# Altium PCB ESP8266-07.PcbDoc (part 1 of 2)
Units mm, origin at the board's own origin, x right, y up, seen from the top; angles counter-clockwise.
Board outline 86.49 x 77.72 mm, 2 copper layers (Top Layer, Bottom Layer); 174 components, 117 nets, 486 pads, 187 vias.
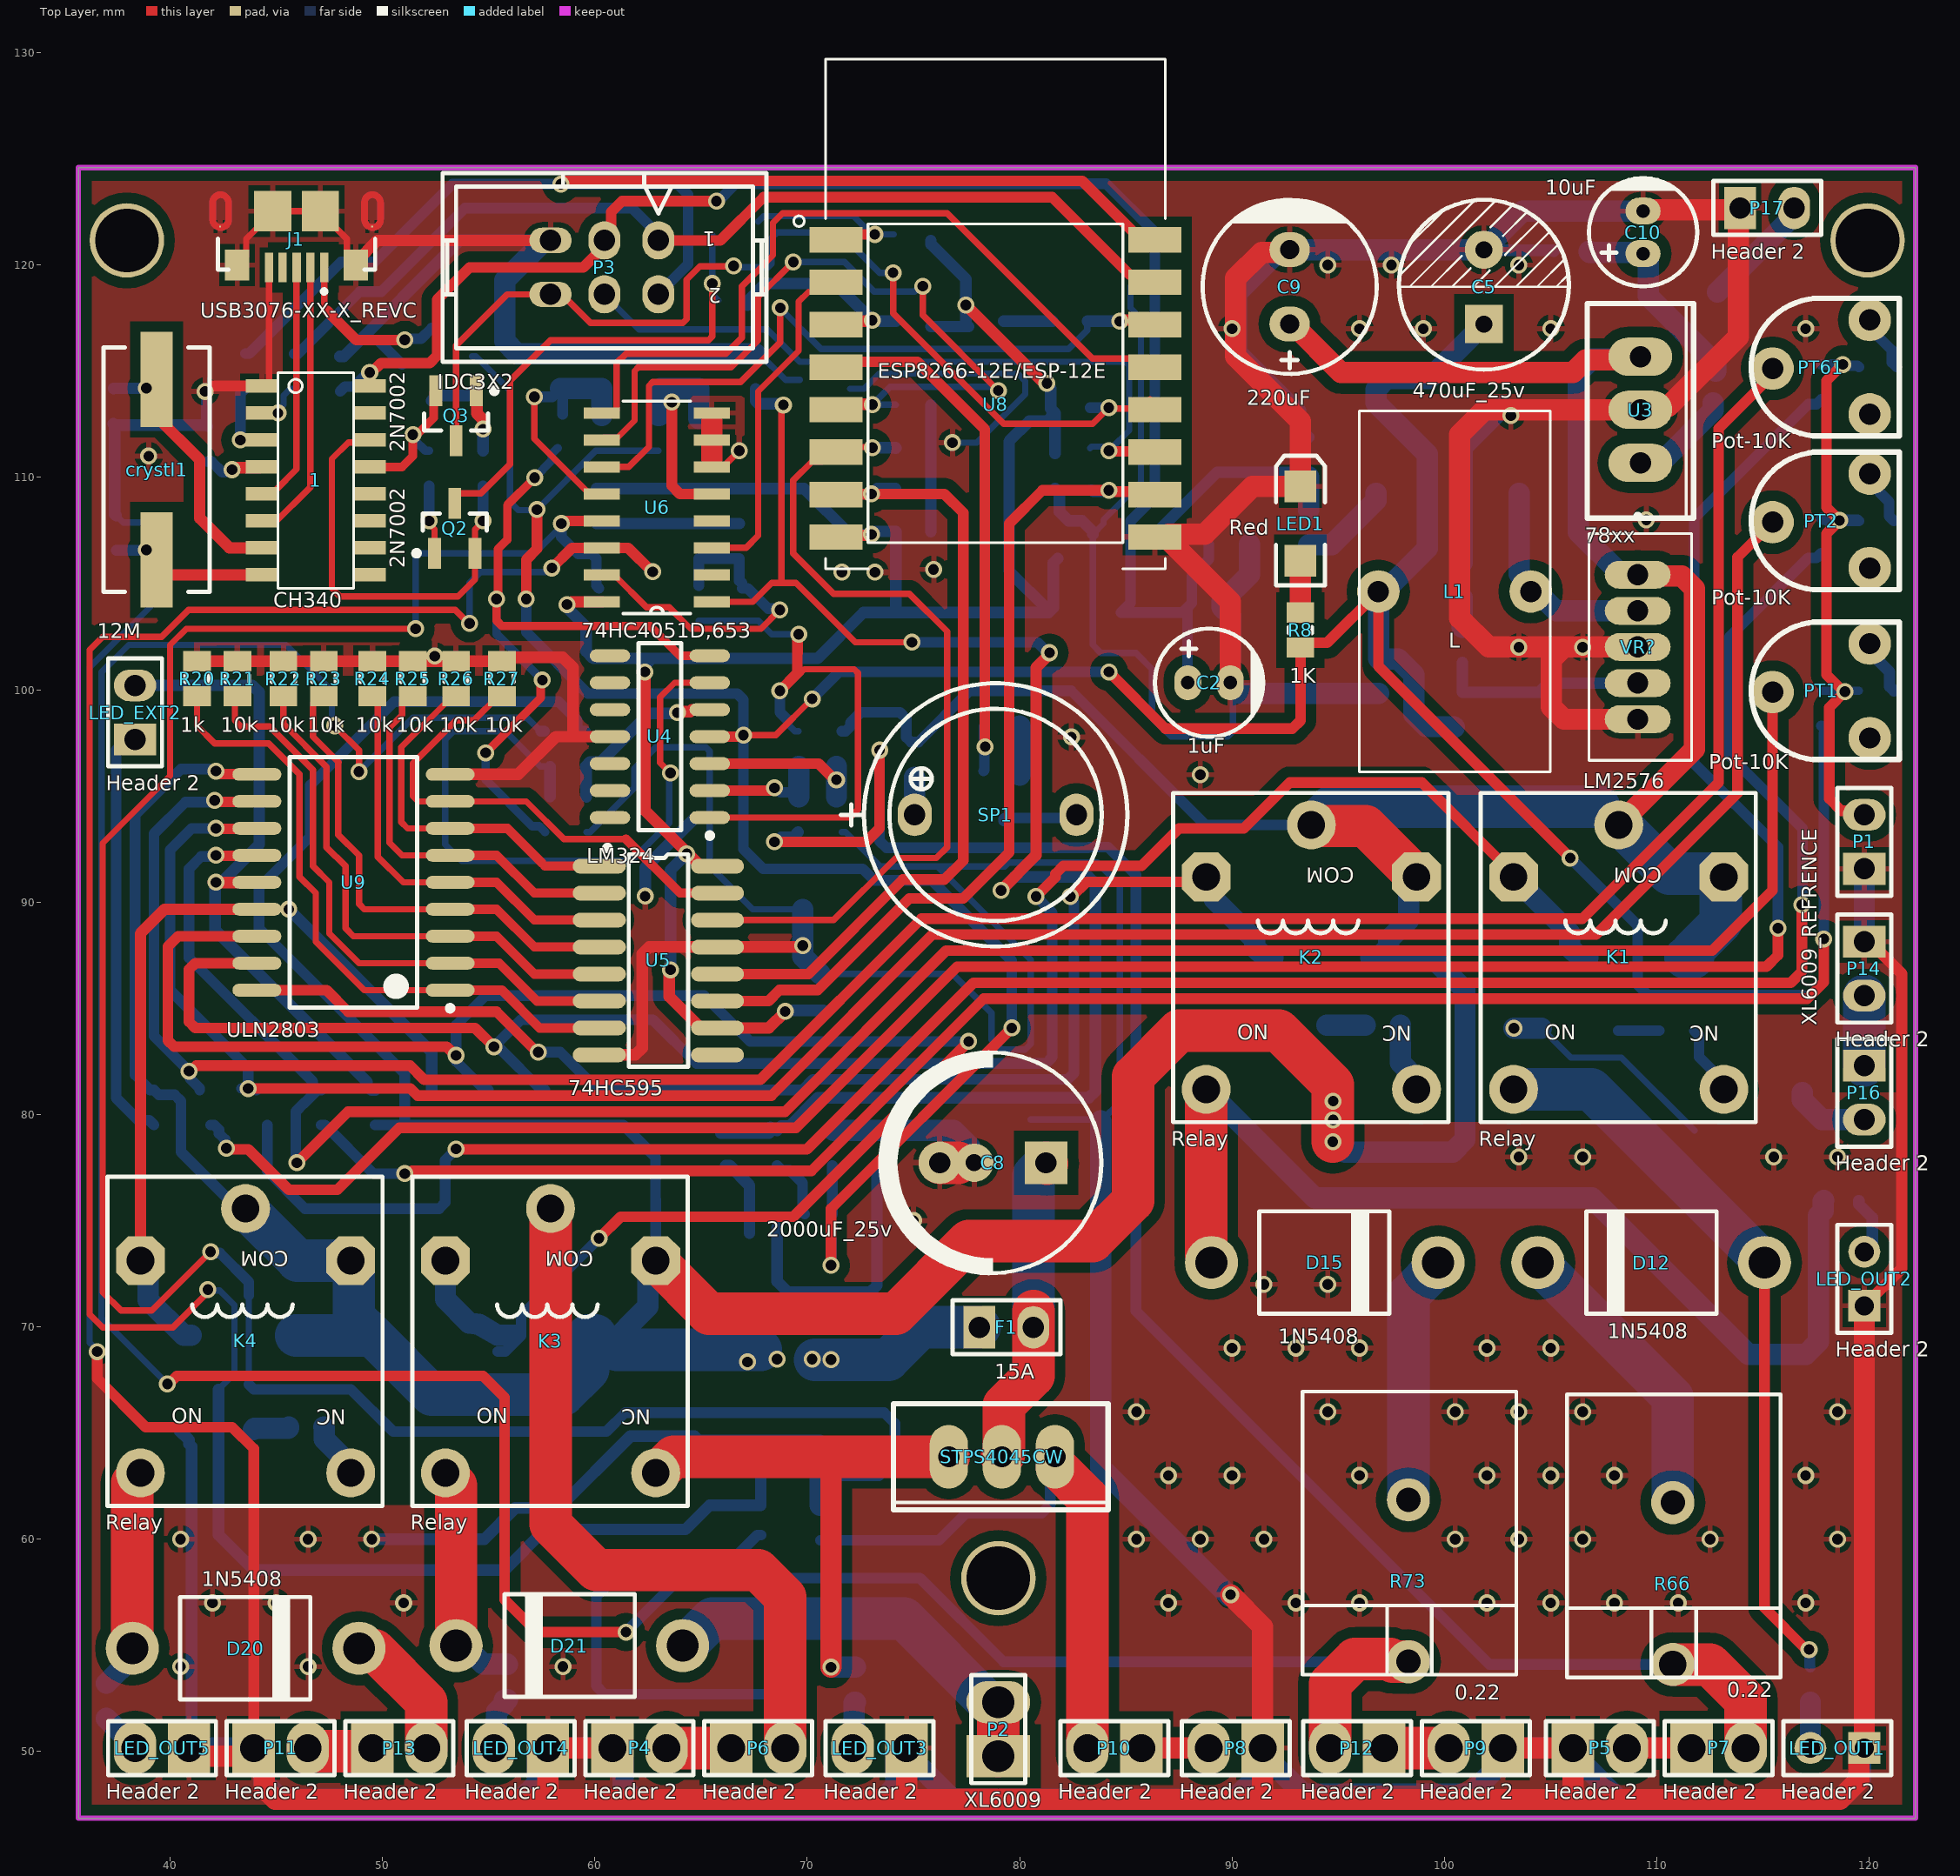
[diagram p0: Top Layer view]
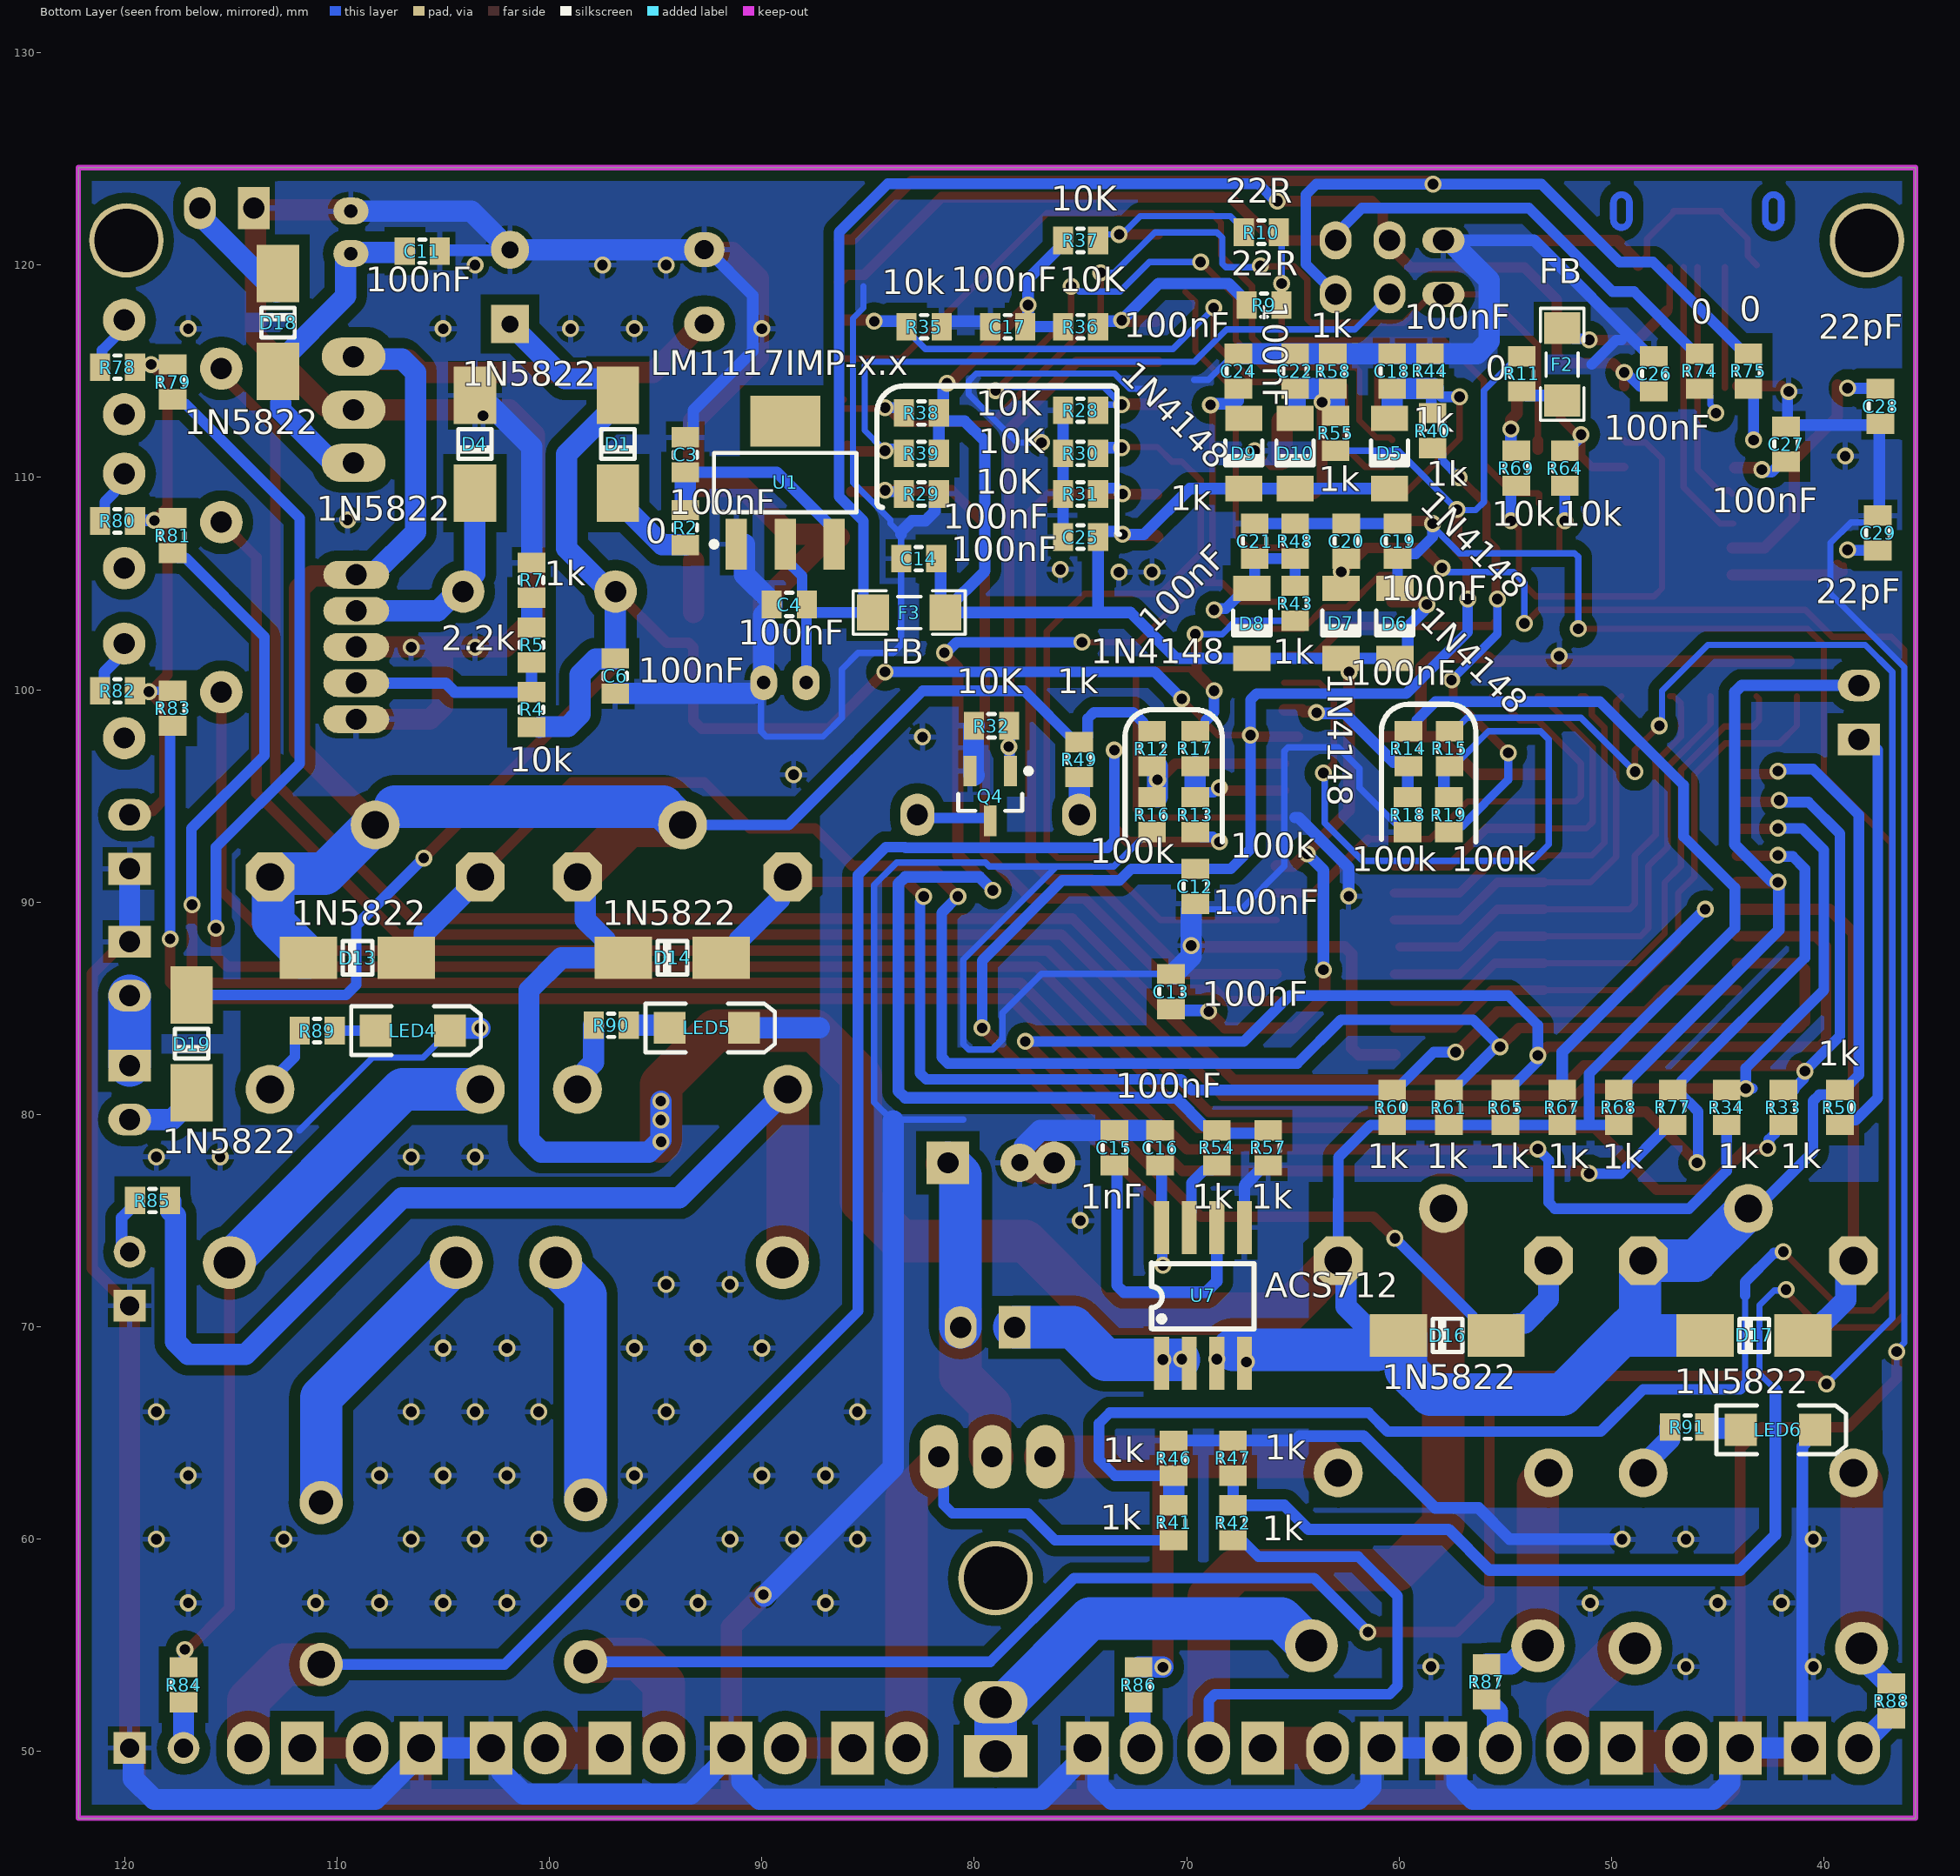
[diagram p1: Bottom Layer view, seen from below]
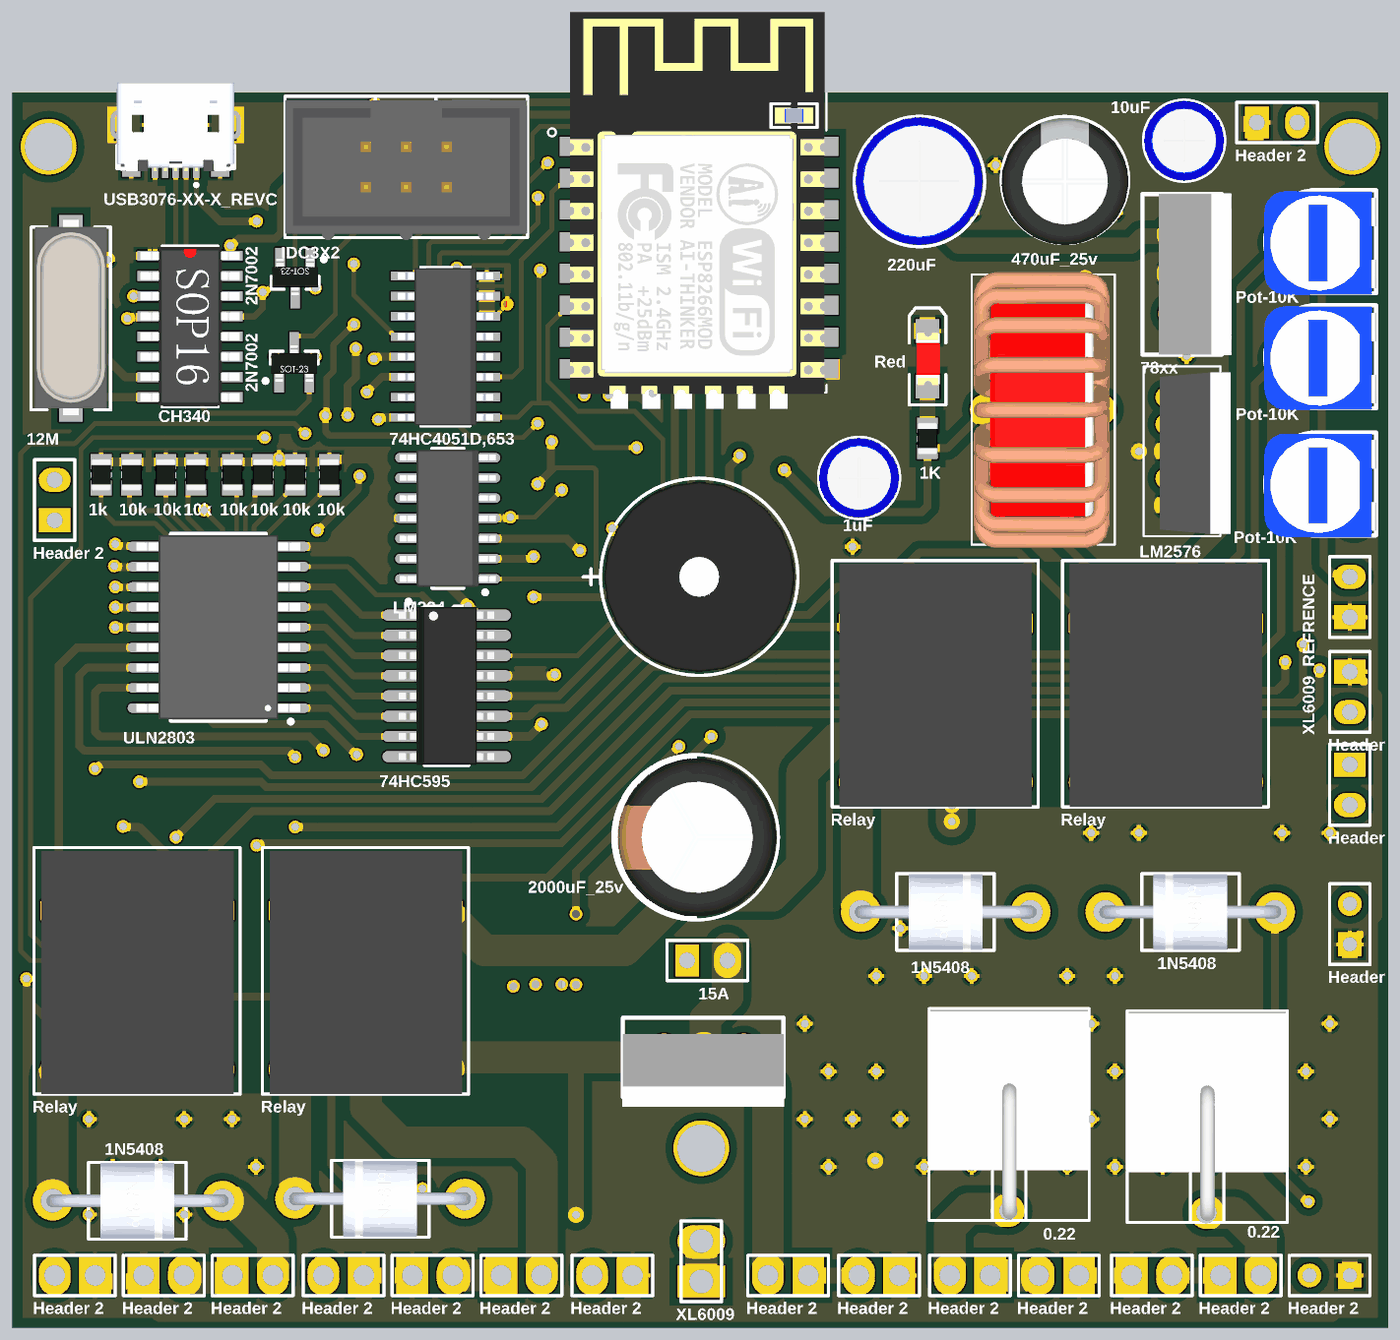
[diagram p3: 3D render of the assembled board from above, using the file's embedded part models]
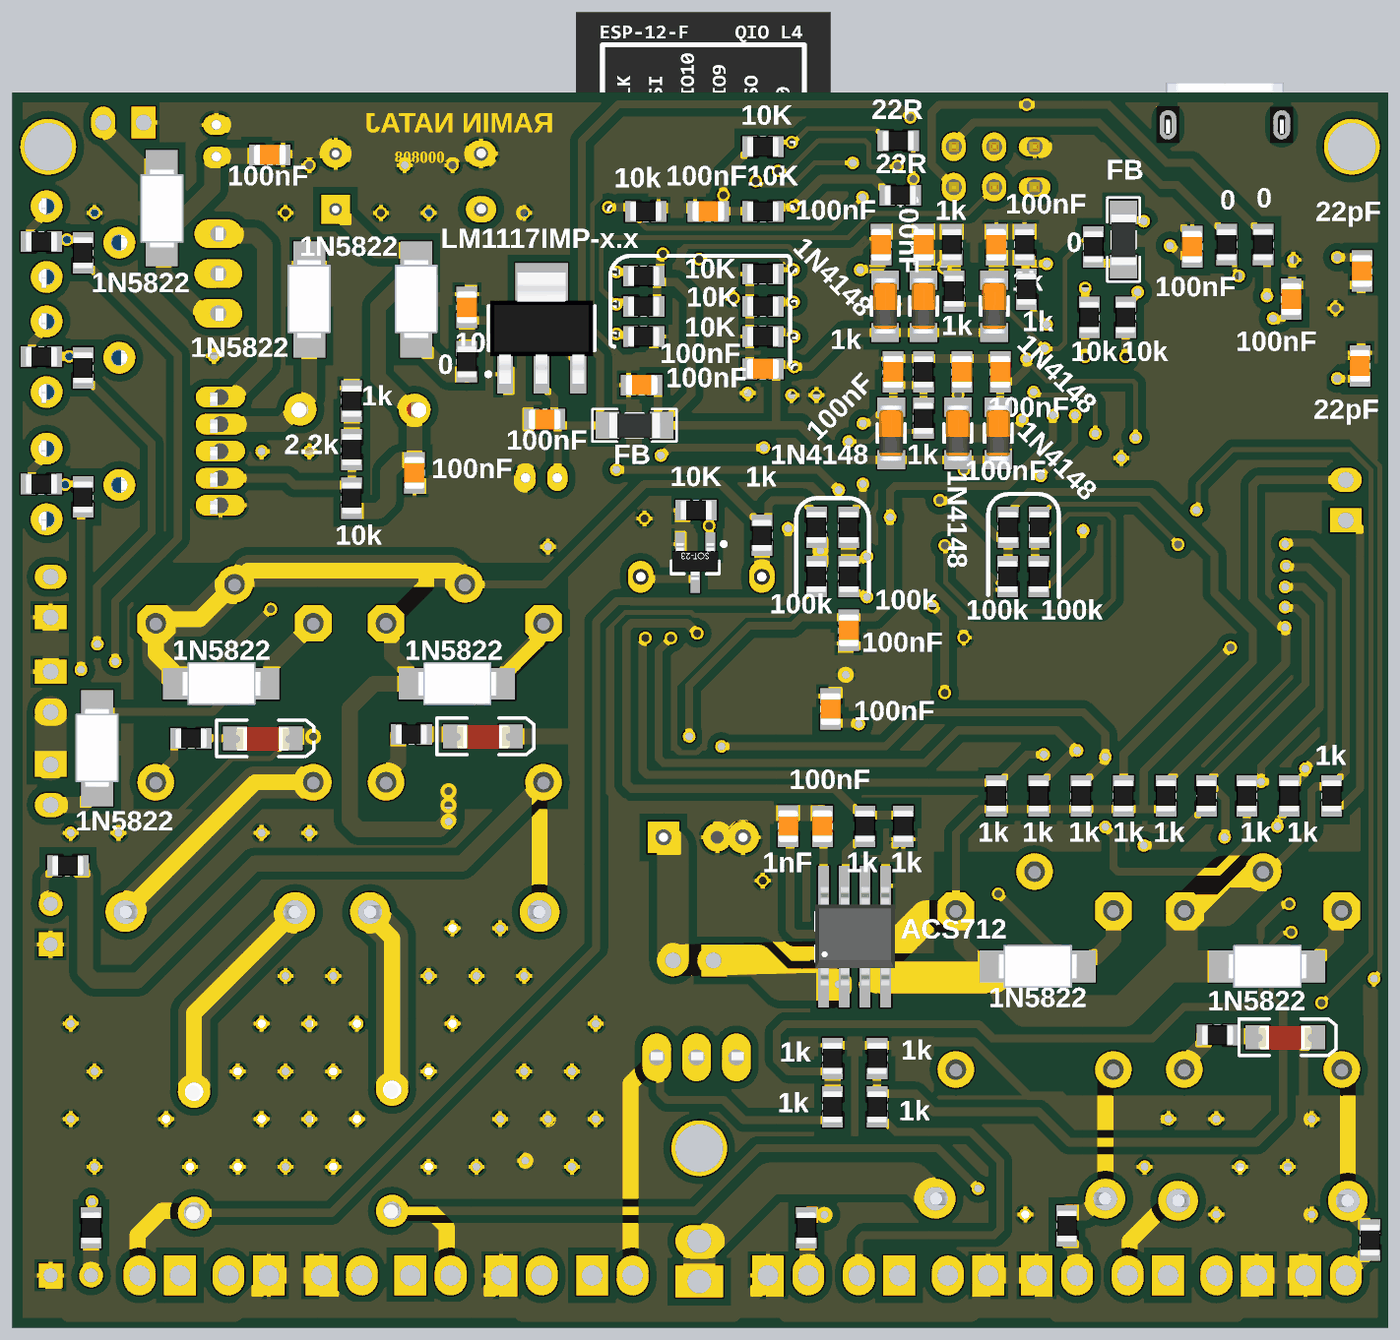
[diagram p4: 3D render of the assembled board from below, using the file's embedded part models]

## Layer stack, top to bottom
Top Solder: solder mask 0.0102, Solder Resist, Dk 3.5
Top Layer: signal copper 0.0356
Dielectric 1: dielectric 0.32, FR-4, Dk 4.8
Bottom Layer: signal copper 0.0356
Bottom Solder: solder mask 0.0102, Solder Resist, Dk 3.5

## Board outline
35.687,46.863 35.687,124.587 122.174,124.587 122.174,46.863

## Design rules (kind name [scope] priority, off if disabled: settings)
Clearance [All] p1: gap=0.5 ignorepadtopadclearanceinfootprint=FALSE except(0: Arc-Hole Track-Hole SMDPad-Hole THPad-Hole Via-Hole Fill-Hole Poly-Hole Region-Hole Text-Hole; 0.254: Arc-Arc Arc-Track Arc-SMDPad Arc-Via Arc-Text Track-Track Track-SMDPad Track-Via Track-Text SMDPad-SMDPad SMDPad-THPad SMDPad-Via SMDPad-Text THPad-THPad THPad-Via THPad-Text Via-Via Via-Text Fill-Text Poly-Text Region-Text Text-Text; 0.3: Arc-THPad Track-THPad)
PolygonConnect [All] p1: connectstyle=Relief reliefconductorwidth=0.254 reliefentries=4 polygonreliefangle="90 Angle" airgapwidth=0.254
RoutingVias [All] p1: holewidth=0.711 width=1.27 viastyle="Through Hole" minholewidth=0.711 minwidth=1.27 maxholewidth=0.711 maxwidth=1.27
SolderMaskExpansion [All] p1: expansion=0.102 istentingtop=FALSE
Width [All] p1: maxlimit=2 minlimit=0.254 preferedwidth=0.54 minimp=50.000000 maximp=50.000000 favimp=50.000000
30 further rules are at their usual default settings.

## Components (designator, comment, footprint, x,y, rotation, side; value= is the part's Value field where it differs from the comment)
1 "CH340" SOIC16 46.863,110.49 r0 top
C2 "1uF" "cap 01" 88.916,100.33 r180 top
C3 "100nF" SMD_CAP_0805 93.599,110.236 r90 bottom
C4 "100nF" SMD_CAP_0805 87.884,104.013 r0 bottom
C5 "470uF_25v" "Cap electrolitic radial 8x12-3.5" 101.854,118.971 r90 top
C6 "100nF" SMD_CAP_0805 96.901,101.472 r270 bottom
C8 "2000uF_25v" "Cap electrolitic radial 10x20-5" 78.74,77.724 r180 top
C9 "220uF" "cap 03" 92.71,118.971 r270 top
C10 "10uF" "cap 01" 109.347,121.539 r270 top
C11 "100nF" SMD_CAP_0805 106.806,120.65 r180 bottom
C12 "100nF" SMD_CAP_0805 69.596,91.567 r270 bottom
C13 "100nF" SMD_CAP_0805 70.739,84.964 r90 bottom
C14 "100nF" SMD_CAP_0805 83.439,106.172 r180 bottom
C15 "1nF" SMD_CAP_0805 73.406,77.598 r90 bottom
C16 "100nF" SMD_CAP_0805 71.247,77.597 r90 bottom
C17 "100nF" SMD_CAP_0805 77.597,117.094 r0 bottom
C18 "100nF" SMD_CAP_0805 60.325,114.173 r90 bottom
C19 "100nF" SMD_CAP_0805 60.071,106.172 r90 bottom
C20 "100nF" SMD_CAP_0805 62.484,106.172 r90 bottom
C21 "100nF" SMD_CAP_0805 66.802,106.172 r90 bottom
C22 "100nF" SMD_CAP_0805 64.897,114.173 r90 bottom
C24 "100nF" SMD_CAP_0805 67.564,114.173 r90 bottom
C25 "100nF" SMD_CAP_0805 74.169,107.188 r0 bottom
C26 "100nF" SMD_CAP_0805 48.006,114.047 r90 bottom
C27 "100nF" SMD_CAP_0805 41.783,112.395 r270 bottom
C28 "22pF" SMD_CAP_0805 37.338,114.172 r270 bottom
C29 "22pF" SMD_CAP_0805 37.465,106.554 r90 bottom
crystl1 "12M" "Crystal SMD" 39.37,110.363 r270 top
D1 "1N5822" "Diode 1N4007 SMD" 96.774,113.538 r270 bottom
D4 "1N5822" "Diode 1N4007 SMD" 103.505,113.538 r270 bottom
D5 "1N4148" LL4148 60.452,111.125 r270 bottom
D6 "1N4148" LL4148 60.198,103.124 r270 bottom
D7 "1N4148" LL4148 62.738,103.124 r270 bottom
D8 "1N4148" LL4148 66.929,103.124 r270 bottom
D9 "1N4148" LL4148 67.31,111.125 r270 bottom
D10 "1N4148" LL4148 64.897,111.125 r270 bottom
D12 "1N5408" "Diode 1N5819" 109.728,73.025 r180 top
D13 "1N5822" "Diode 1N4007 SMD" 107.061,87.376 r0 bottom
D14 "1N5822" "Diode 1N4007 SMD" 92.24,87.376 r0 bottom
D15 "1N5408" "Diode 1N5819" 94.361,73.025 r0 top
D16 "1N5822" "Diode 1N4007 SMD" 55.753,69.596 r0 bottom
D17 "1N5822" "Diode 1N4007 SMD" 41.313,69.596 r0 bottom
D18 "1N5822" "Diode 1N4007 SMD" 112.776,115.316 r90 bottom
D19 "1N5822" "Diode 1N4007 SMD" 116.84,85.306 r270 bottom
D20 "1N5408" "Diode 1N5819" 43.561,54.864 r0 top
D21 "" "Diode 1N5819" 58.801,54.991 r180 top
F1 "15A" HDR1X2#1 78.105,69.977 r0 top
F2 "FB" FB1206 52.324,115.316 r270 bottom value=10mH
F3 "FB" FB1206 83.058,103.632 r180 bottom value=10mH
J1 "USB3076-XX-X_REVC" GCT_USB3076-XX-X_REVC 45.959,122.538 r180 top
K1 "Relay" "Relay 15.40x12.10x13.10" 108.201,93.636 r180 top
K2 "Relay" "Relay 15.40x12.10x13.10" 93.729,93.636 r180 top
K3 "Relay" "Relay 15.40x12.10x13.10" 57.915,75.569 r180 top
K4 "Relay" "Relay 15.40x12.10x13.10" 43.558,75.569 r180 top
L1 "L" "Toroidal Inductor Coil" 100.584,104.648 r270 top value="100UH, 3A"
LED1 "Red" "LED SMD 1206" 93.218,107.823 r90 top
LED4 "" "LED SMD 1206" 106.426,83.947 r180 bottom
LED5 "" "LED SMD 1206" 92.583,84.074 r180 bottom
LED6 "" "LED SMD 1206" 42.164,65.151 r180 bottom
LED_EXT2 "Header 2" HDR1X2#1 38.354,97.663 r90 top
LED_OUT1 "Header 2" HDR1X2#2 119.761,50.165 r180 top
LED_OUT2 "Header 2" HDR1X2#2 119.761,70.993 r90 top
LED_OUT3 "Header 2" HDR1X2#3 74.676,50.165 r180 top
LED_OUT4 "Header 2" HDR1X2#3 57.785,50.165 r180 top
LED_OUT5 "Header 2" HDR1X2#3 40.894,50.165 r180 top
P1 "XL6009_REFRENCE" HDR1X2#1 119.761,91.567 r90 top
P2 "XL6009" HDR1X2#4 78.994,49.784 r90 top
P3 "IDC3X2" IDC_2X3 60.452,119.888 r180 top
P4 "Header 2" HDR1X2#3 60.833,50.165 r0 top
P5 "Header 2" HDR1X2#3 106.045,50.165 r0 top
P6 "Header 2" HDR1X2#3 66.421,50.165 r0 top
P7 "Header 2" HDR1X2#3 111.633,50.165 r0 top
P8 "Header 2" HDR1X2#3 91.44,50.165 r180 top
P9 "Header 2" HDR1X2#3 102.743,50.165 r180 top
P10 "Header 2" HDR1X2#3 85.725,50.165 r180 top
P11 "Header 2" HDR1X2#3 43.942,50.165 r0 top
P12 "Header 2" HDR1X2#3 97.155,50.165 r180 top
P13 "Header 2" HDR1X2#3 49.53,50.165 r0 top
P14 "Header 2" HDR1X2#1 119.761,88.138 r270 top
P16 "Header 2" HDR1X2#1 119.761,82.296 r270 top
P17 "Header 2" HDR1X2#1 113.919,122.682 r0 top
PT1 "Pot-10K" Square 117.729,99.949 r270 top value=10K
PT2 "Pot-10K" Square 117.729,107.95 r270 top value=10K
PT61 "Pot-10K" Square 117.729,115.189 r270 top value=10K
Q2 "2N7002" SOT23_BEC_M 53.406,107.601 r90 top
Q3 "2N7002" SOT23_BEC_M 53.467,112.903 r270 top
Q4 "" SOT23_BEC_M 79.248,94.996 r270 bottom
R2 "0" "RES 0805 (2012X06L)" 93.599,108.458 r270 bottom
R4 "10k" "RES 0805 (2012X06L)" 100.838,98.234 r90 bottom value=103
R5 "2.2k" "RES 0805 (2012X06L)" 100.838,101.284 r90 bottom value=222
R7 "1k" "RES 0805 (2012X06L)" 100.838,104.332 r90 bottom value=102
R8 "1K" "RES 0805 (2012X06L)" 93.218,103.632 r270 top
R9 "22R" "RES 0805 (2012X06L)" 67.183,118.11 r180 bottom
R10 "22R" "RES 0805 (2012X06L)" 65.66,121.539 r0 bottom
R11 "0" "RES 0805 (2012X06L)" 54.222,115.696 r270 bottom
R12 "100k" "RES 0805 (2012X06L)" 71.628,98.043 r270 bottom value=104
R13 "100k" "RES 0805 (2012X06L)" 69.596,93.298 r90 bottom value=104
R14 "100k" "RES 0805 (2012X06L)" 59.563,98.043 r270 bottom value=104
R15 "100k" "RES 0805 (2012X06L)" 57.621,98.043 r270 bottom value=104
R16 "100k" "RES 0805 (2012X06L)" 71.628,94.948 r270 bottom value=104
R17 "100k" "RES 0805 (2012X06L)" 69.596,96.393 r90 bottom value=104
R18 "100k" "RES 0805 (2012X06L)" 59.6,94.948 r270 bottom value=104
R19 "100k" "RES 0805 (2012X06L)" 57.658,94.948 r270 bottom value=104
R20 "1k" "RES 0805 (2012X06L)" 41.275,99.696 r90 top value=103
R21 "10k" "RES 0805 (2012X06L)" 43.18,99.696 r90 top value=103
R22 "10k" "RES 0805 (2012X06L)" 45.339,99.696 r90 top value=103
R23 "10k" "RES 0805 (2012X06L)" 47.244,99.696 r90 top value=103
R24 "10k" "RES 0805 (2012X06L)" 49.53,99.696 r90 top value=103
R25 "10k" "RES 0805 (2012X06L)" 51.435,99.696 r90 top value=103
R26 "10k" "RES 0805 (2012X06L)" 53.467,99.696 r90 top value=103
R27 "10k" "RES 0805 (2012X06L)" 55.626,99.696 r90 top value=103
R28 "10K" "RES 0805 (2012X06L)" 75.819,113.157 r180 bottom
R29 "10K" "RES 0805 (2012X06L)" 81.662,109.22 r0 bottom
R30 "10K" "RES 0805 (2012X06L)" 75.819,111.125 r180 bottom
R31 "10K" "RES 0805 (2012X06L)" 75.819,109.22 r180 bottom
R32 "10K" "RES 0805 (2012X06L)" 80.01,98.298 r180 bottom
R33 "1k" "RES 0805 (2012X06L)" 41.91,81.153 r270 bottom value=102
R34 "1k" "RES 0805 (2012X06L)" 44.577,81.153 r270 bottom value=102
R35 "10k" "RES 0805 (2012X06L)" 81.534,117.094 r0 bottom value=103
R36 "10K" "RES 0805 (2012X06L)" 75.819,117.094 r180 bottom
R37 "10K" "RES 0805 (2012X06L)" 75.819,121.158 r180 bottom
R38 "10K" "RES 0805 (2012X06L)" 81.661,113.03 r0 bottom
R39 "10K" "RES 0805 (2012X06L)" 81.662,111.125 r0 bottom
R40 "1k" "RES 0805 (2012X06L)" 58.42,111.379 r90 bottom value=102
R41 "1k" "RES 0805 (2012X06L)" 70.612,59.944 r90 bottom value=102
R42 "1k" "RES 0805 (2012X06L)" 67.818,59.944 r90 bottom value=102
R43 "1k" "RES 0805 (2012X06L)" 64.897,103.249 r90 bottom value=102
R44 "1k" "RES 0805 (2012X06L)" 58.547,114.173 r90 bottom value=102
R46 "1k" "RES 0805 (2012X06L)" 70.612,62.992 r90 bottom value=102
R47 "1k" "RES 0805 (2012X06L)" 67.818,62.992 r90 bottom value=102
R48 "1k" "RES 0805 (2012X06L)" 64.897,106.172 r90 bottom value=102
R49 "1k" "RES 0805 (2012X06L)" 75.057,97.536 r270 bottom value=102
R50 "1k" "RES 0805 (2012X06L)" 39.243,79.503 r90 bottom value=102
R54 "1k" "RES 0805 (2012X06L)" 68.58,77.597 r90 bottom value=102
R55 "1k" "RES 0805 (2012X06L)" 62.992,111.25 r90 bottom value=102
R57 "1k" "RES 0805 (2012X06L)" 66.167,79.247 r270 bottom value=102
R58 "1k" "RES 0805 (2012X06L)" 63.119,114.173 r90 bottom value=102
R60 "1k" "RES 0805 (2012X06L)" 60.325,81.153 r270 bottom value=102
R61 "1k" "RES 0805 (2012X06L)" 57.658,81.153 r270 bottom value=102
R64 "10k" "RES 0805 (2012X06L)" 52.197,111.252 r270 bottom value=103
R65 "1k" "RES 0805 (2012X06L)" 54.991,81.153 r270 bottom value=102
R66 "0.22" Res-(5/1)-Stand#1 110.744,61.722 r270 top
R67 "1k" "RES 0805 (2012X06L)" 52.324,81.153 r270 bottom value=102
R68 "1k" "RES 0805 (2012X06L)" 49.657,81.153 r270 bottom value=102
R69 "10k" "RES 0805 (2012X06L)" 54.483,109.601 r90 bottom value=103
R73 "0.22" Res-(5/1)-Stand#2 98.298,61.849 r270 top
R74 "0" "RES 0805 (2012X06L)" 45.847,114.173 r90 bottom
R75 "0" "RES 0805 (2012X06L)" 43.561,114.174 r90 bottom
R77 "" "RES 0805 (2012X06L)" 47.117,81.153 r270 bottom value=102
R78 "" "RES 0805 (2012X06L)" 121.158,115.189 r180 bottom value=102
R79 "" "RES 0805 (2012X06L)" 117.729,113.666 r90 bottom value=102
R80 "" "RES 0805 (2012X06L)" 121.158,107.95 r180 bottom value=102
R81 "" "RES 0805 (2012X06L)" 117.729,106.426 r90 bottom value=102
R82 "" "RES 0805 (2012X06L)" 121.158,99.949 r180 bottom value=102
R83 "" "RES 0805 (2012X06L)" 117.729,98.299 r90 bottom value=102
R84 "" "RES 0805 (2012X06L)" 117.221,52.325 r90 bottom value=1K